# Altium PCB PCB_3U_SMA.PCBDOC (part 1 of 2) (continued)
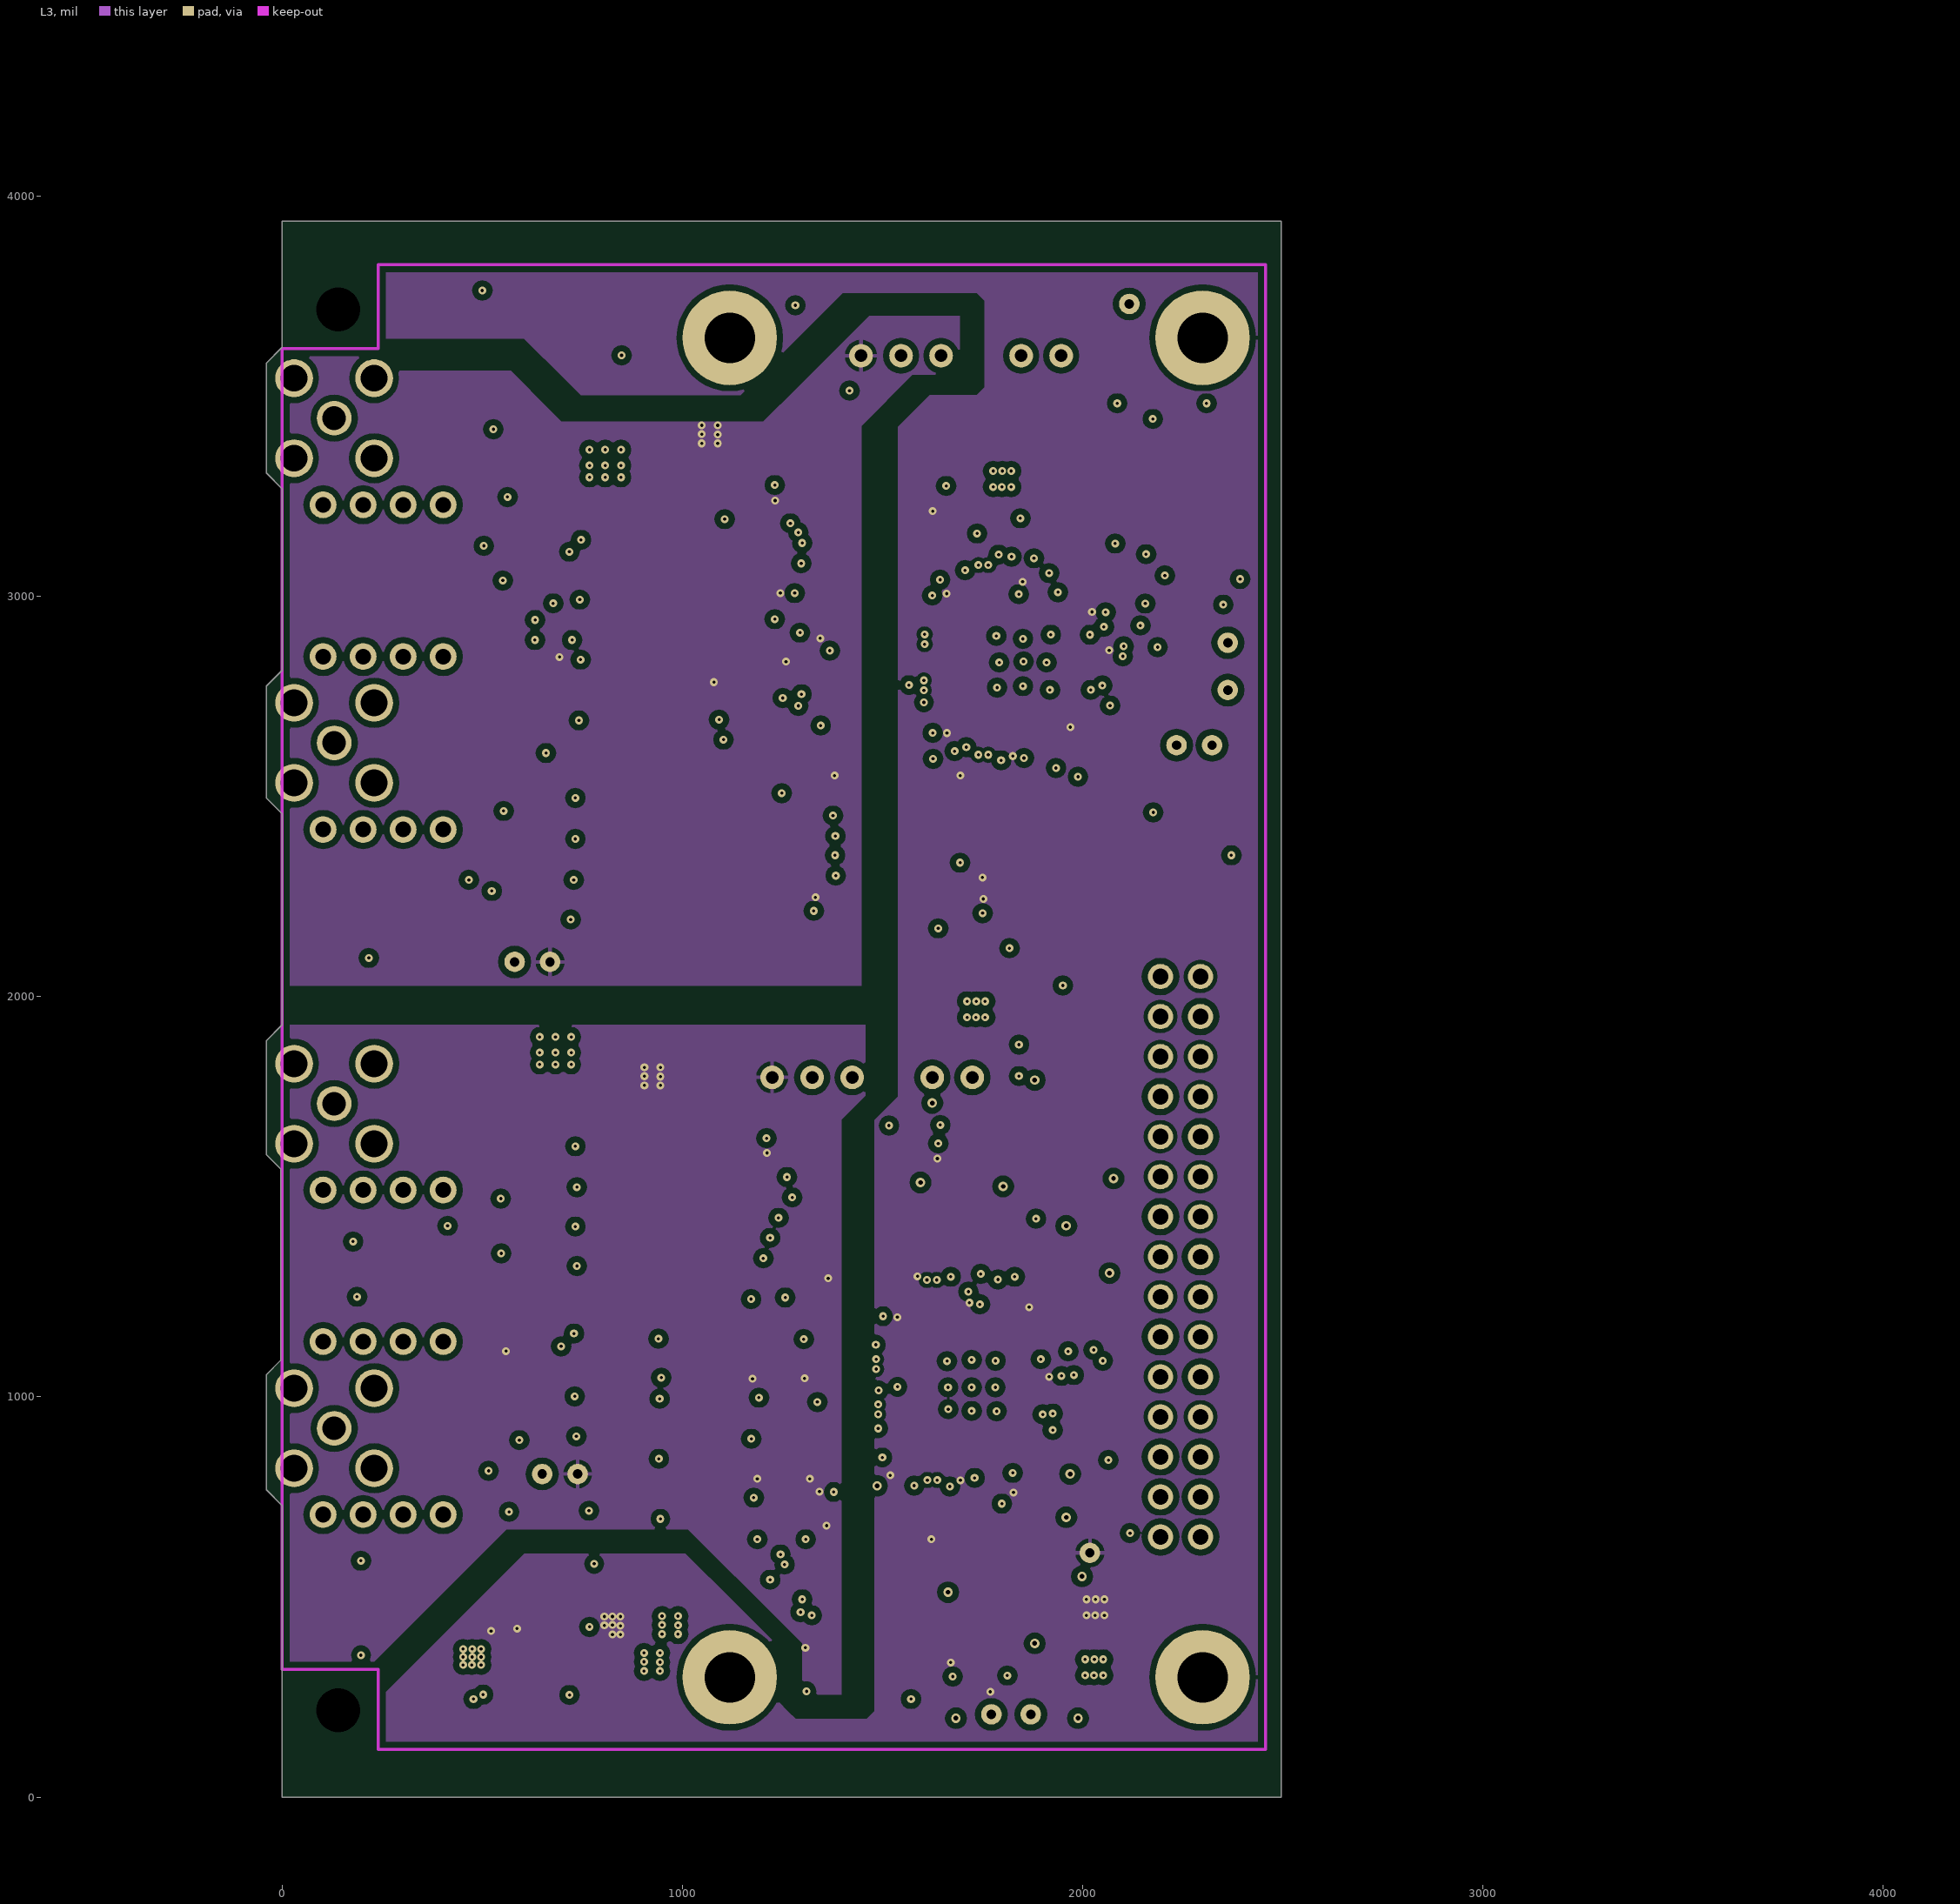
[diagram p3: L3]
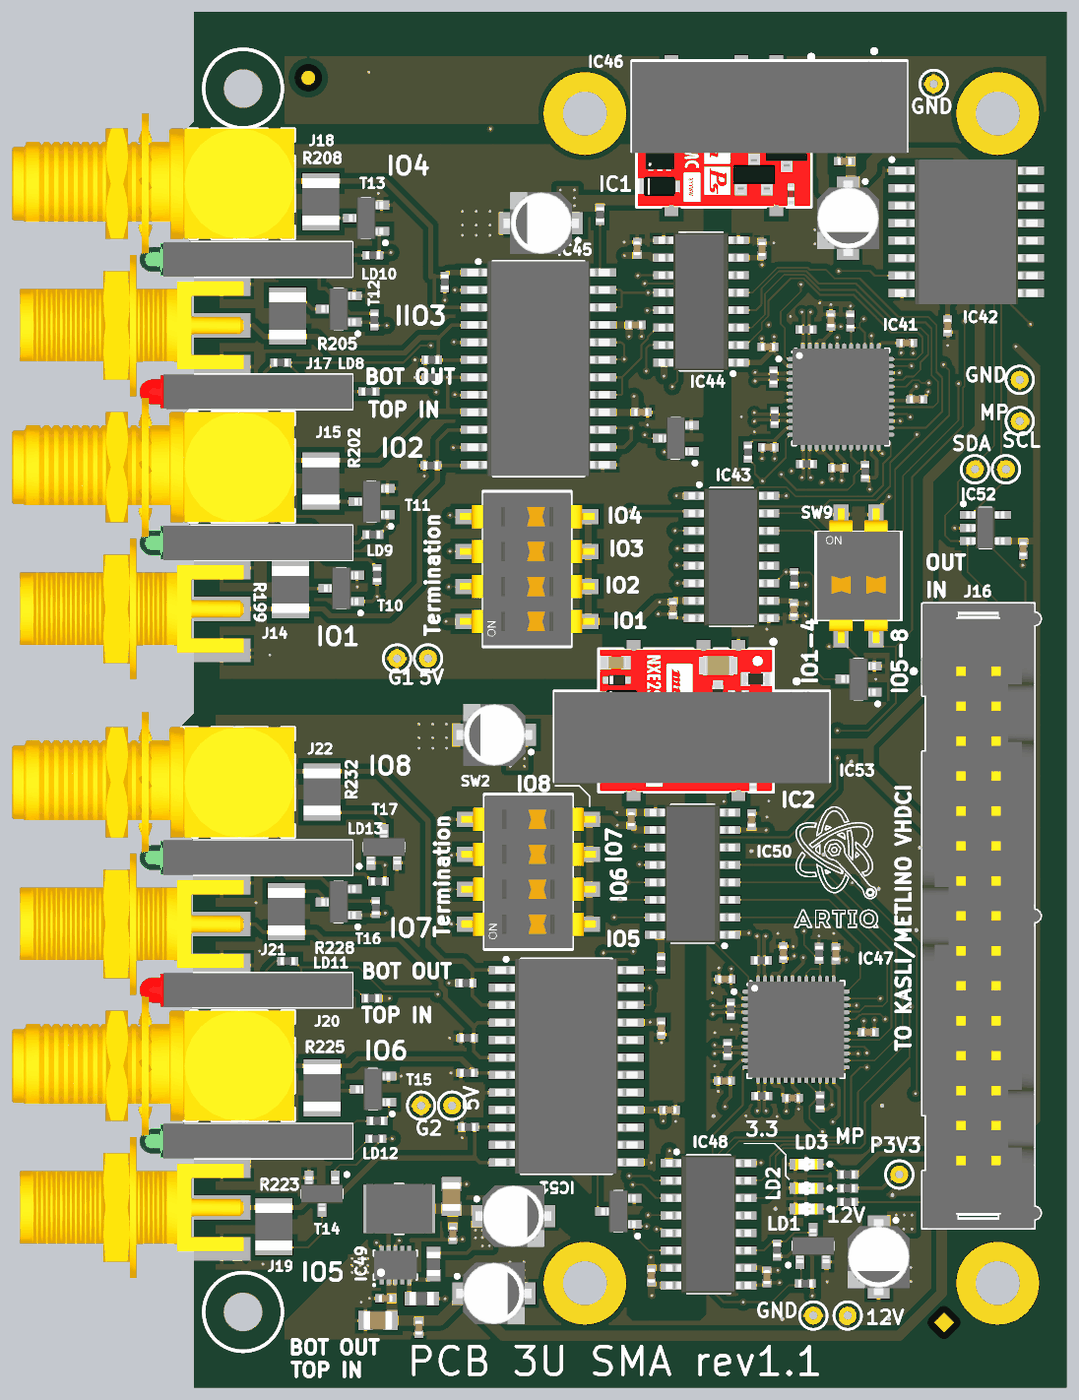
[diagram p5: 3D render of the assembled board from above, using the file's embedded part models]

## Layer stack, top to bottom
TopSolder: solder mask 0.4, Solder Resist, Dk 3.5
Top: signal copper 1.4
Dielectric1: core 15, FR-4, Dk 4.8
MP(G): plane copper 1.4169, net (Multiple Nets)
Dielectric 3: core 27.5591, Dk 4.2
L3: signal copper 1.4169
Dielectric 4: prepreg 14.9606, Dk 4.2
Bot: signal copper 1.4
BottomSolder: solder mask 0.4, Solder Resist, Dk 3.5

## Board outline
-39.37,767.72 -39.37,1055.12 -3.74,1090.75 -3.74,1569.48 -39.37,1605.11 -39.37,1889.76 0,1929.13 0,2456.69 -39.37,2496.06 -39.37,2775.59 0,2814.96 0,3268.7 -39.37,3308.07 -39.37,3582.68 0,3622.05 0,3937 2496.06,3937 2496.06,0 0,0 0,728.35

## Design rules (kind name [scope] priority, off if disabled: settings)
Clearance Clearance_DIFF [(InDifferentialPairClass('All Differential Pairs'))] p1: gap=5 except(10: Arc-Poly Track-Poly SMDPad-Poly THPad-Poly Via-Poly Fill-Poly Poly-Poly Poly-Region Poly-Text)
Clearance [All] p2: gap=5 except(15: Arc-Poly Track-Poly SMDPad-Poly THPad-Poly Via-Poly Fill-Poly Poly-Poly)
DiffPairsRouting [All] p1: maxlimit=10 minlimit=5 mostfreqgap=5 toplayer_minwidth=5 toplayer_maxwidth=15 toplayer_prefwidth=10 midlayer1_minwidth=5 midlayer1_maxwidth=15 midlayer1_prefwidth=10 bottomlayer_minwidth=5 bottomlayer_maxwidth=15 bottomlayer_prefwidth=10 maxuncoupledlength=500
FabricationTestPointUsage TestPointUsage [All] p1: valid=0 allowmultiple=FALSE
FabricationTestpoint Testpoint [All] p1: side=3 testpointundercomponent=TRUE minsize=40 maxsize=100 preferedsize=60 minholesize=20 maxholesize=40 preferedholesize=32 testpointgrid=1 allowsidetop=TRUE allowsidebottom=TRUE usegrid=TRUE gridtolerance=0.01
HoleSize [All] p1: absolutevalues=TRUE maxlimit=150 minlimit=1 maxpercent=80.000 minpercent=20.000
HoleToHoleClearance [All] p1: gap=1 allowstackedmicrovias=TRUE
MinimumSolderMaskSliver [All] p1: minsoldermaskwidth=0
PlaneClearance [All] p1: clearance=10
PlaneConnect [All] p1: planeconnectstyle=Direct reliefexpansion=20 reliefentries=4 reliefconductorwidth=10 reliefairgap=10
PolygonConnect PolygonConnect_pad [(InPadClass('All Pads'))] p1: connectstyle=Relief reliefconductorwidth=10 reliefentries=4 polygonreliefangle="90 Angle" airgapwidth=10
PolygonConnect [All] p2: connectstyle=Direct reliefconductorwidth=10 reliefentries=4 polygonreliefangle="45 Angle" airgapwidth=10
RoomDefinition PCB_3U_SMA [InComponentClass('PCB_3U_SMA')] p1 off: confinementstyle=ConfineIn formatcopy=TRUE lockcomponents=FALSE outline 2545.26,72.82 9740.13,72.82 9740.13,1007.86 2545.26,1007.86
RoutingVias [All] p1: holewidth=7.87 width=19.68 viastyle="Through Hole" minholewidth=7.87 minwidth=19.68 maxholewidth=28 maxwidth=50
SilkToSilkClearance [All] p1: silktosilkclearance=0
SilkToSolderMaskClearance SilkscreenOverComponentPads [IsPad] p1: minsilkscreentomaskgap=0 clearancetoexposedcopper=TRUE
SolderMaskExpansion [All] p1: expansion=2
Width [All] p1: maxlimit=50 minlimit=5 preferedwidth=5
20 further rules are at their usual default settings.

## Classes and differential pairs
differential pair LVDS1: +LVDS1_P -LVDS1_N
differential pair LVDS2: +LVDS2_P -LVDS2_N
differential pair LVDS3: +LVDS3_P -LVDS3_N
differential pair LVDS4: +LVDS4_P -LVDS4_N
differential pair LVDS5: +LVDS5_P -LVDS5_N
differential pair LVDS6: +LVDS6_P -LVDS6_N
differential pair LVDS7: +LVDS7_P -LVDS7_N
differential pair LVDS8: +LVDS8_P -LVDS8_N

## Components (designator, comment, footprint, x,y, rotation, side; value= is the part's Value field where it differs from the comment)
B1 "Plated Hole" c130h60 2116.14,3730.32 r0 top
B2 "Plated Hole" c130h60 2234.25,2627.95 r0 top
B3 "Plated Hole" c130h60 2322.83,2627.95 r0 top
B4 "Plated Hole" c130h60 2362.2,2883.86 r0 top
B5 "Plated Hole" c130h60 2362.2,2765.75 r0 top
B6 "Plated Hole" c130h60 1771.65,206.69 r0 top
B7 "Plated Hole" c130h60 2017.72,610.24 r0 top
B8 "Plated Hole" c130h60 1870.08,206.69 r0 top
B9 "Plated Hole" c130h60 669.29,2086.61 r0 top
B10 "Plated Hole" c130h60 580.71,2086.61 r0 top
B11 "Plated Hole" c130h60 738.19,807.09 r0 top
B12 "Plated Hole" c130h60 649.61,807.09 r0 top
C163 "100nF" CAPC1005X55N 2372,2400 r90 top
C164 "100nF" CAPC1005X55N 1370,2230 r90 top
C165 "100nF" CAPC1005X55N 1262.53,3040.84 r180 top
C166 "100nF" CAPC1005X55N 1279.53,2790.84 r180 top
C167 "100nF" CAPC1005X55N 1267.57,3260.15 r270 top
C168 "10uF" CAPAE430X540N 993,3332 r180 top
C169 "100nF" CAPC1005X55N 643,172 r90 top
C170 "10uF" CAPAE430X540N 1871,3346 r270 top
C171 "100nF" CAPC1005X55N 1625,3257.88 r270 top
C172 "100nF" CAPC1005X55N 1843,2632 r180 top
C173 "100nF" CAPC1005X55N 1822,3054 r270 top
C174 "100nF" CAPC1005X55N 2068,2828 r180 top
C175 "100nF" CAPC1005X55N 1642,2978 r0 top
C176 "100nF" CAPC1005X55N 1643,2691 r0 top
C177 "100nF" CAPC1005X55N 1716,2226 r90 top
C178 "100nF" CAPC1005X55N 1595,1625 r270 top
C179 "10uF" CAPAE430X540N 1958.66,374.02 r270 top
C180 "100nF" CAPC1005X55N 2039,2990 r180 top
C181 "100nF" CAPC1005X55N 1836,1242 r270 top
C182 "100nF" CAPC1005X55N 740.16,440.94 r90 top
C183 "100nF" CAPC1005X55N 1639,317 r90 top
C184 "100nF" CAPC1005X55N 1929,1017 r180 top
C185 "100nF" CAPC1005X55N 1712,829 r180 top
C186 "100nF" CAPC1005X55N 1517,878 r0 top
C187 "100nF" CAPC1005X55N 1519,1169 r0 top
C188 "10uF" CAPAE430X540N 914,491 r0 top
C189 "100nF" CAPC1005X55N 1686,1245 r270 top
C190 "22uF" CAPC2012X135N 736.22,547.24 r270 top
C191 "100nF" CAPC1005X55N 548,256 r0 top
C192 "22uF" CAPC2012X135N 526,193 r0 top
C193 "100nF" CAPC1005X55N 1861,3509 r0 top
C194 "10uF" CAPAE430X540N 858,270 r0 top
C195 "100nF" CAPC1005X55N 1308,321 r90 top
C196 "100nF" CAPC1005X55N 1360,795 r180 top
C197 "100nF" CAPC1005X55N 1337,1029 r90 top
C198 "100nF" CAPC1005X55N 1251,1627 r270 top
C199 "10uF" CAPAE430X540N 859,1868 r180 top
C200 "100nF" CAPC1005X55N 2156,3038 r90 top
FTG9 "Use only in PCB" FIDUCIAL_TOP_C100-200 326.77,3748.03 r90 top
FTG10 "Use only in PCB" FIDUCIAL_TOP_S100-200 2145.67,187.01 r90 top
FTG11 "Use only in PCB" FIDUCIAL_TOP_S200-400 423.23,1968.5 r180 bottom
FTG12 "Use only in PCB" FIDUCIAL_TOP_S100-200 2219.54,2716.54 r90 bottom
IC1 "NXE2S1205MC" DCDC_MURATA_NXE2 1515.75,3582.68 r180 top
IC2 "NXE2S1205MC" DCDC_MURATA_NXE2 1407.48,1909.45 r180 top
IC41 "SN65MLVD040RGZT" QFN50P700X700X100-49N-S420 1850,2835 r0 top
IC42 "PCF8574ADW" SOIC127P1030X265-16N 2209,3307 r0 top
IC43 "SI8651BB-B-IS1" SOIC127P600X175-16N 1537,2377 r0 top
IC44 "SI8651BB-B-IS1" SOIC127P600X175-16N 1450.57,3108.15 r180 top
IC45 "SN74BCT25245DW" SOIC127P1030X265-24N 985.52,2915.84 r0 top
IC46 "DNP" DCDC_TRACO_TMA 1646,3601 r180 top
IC47 "SN65MLVD040RGZT" QFN50P700X700X100-49N-S420 1722,1025 r0 top
IC48 "SI8651BB-B-IS1" SOIC127P600X175-16N 1472,468 r0 top
IC49 "TPS62175DQC" SON50P200X300X80-11N-R94X250 576,351 r90 top
IC50 "SI8651BB-B-IS1" SOIC127P600X175-16N 1426,1471 r180 top
IC51 "SN74BCT25245DW" SOIC127P1030X265-24N 1065,920 r0 top
IC52 "24AA02E48T-I/OT" SOT95P280X145-5N 2264,2460 r0 top
IC53 "DNP" DCDC_TRACO_TMA 1424,1798 r180 top
J14 "SMA" MOLEX_73251-2120 78.74,2228.35 r0 top locked
J15 "SMA" SMA209F 129.92,2633.86 r180 top locked
J16 "Familly" 3M_N2530-6002RB 2244,1350 r270 top locked
J17 "SMA" MOLEX_73251-2120 78.74,3039.37 r0 top locked
J18 "SMA" SMA209F 129.92,3444.88 r180 top locked
J19 "SMA" MOLEX_73251-2120 78.74,515.75 r0 top locked
J20 "SMA" SMA209F 129.92,921.26 r180 top locked
J21 "SMA" MOLEX_73251-2120 78.74,1326.77 r0 top locked
J22 "SMA" SMA209F 129.92,1732.28 r180 top locked
L17 "10uH" IND_MURATA-PS_8400 586.61,511.81 r0 top
LD1 "Green" LED_KINGBRIGHT_KPH-1608CGCK 1751.97,511.81 r180 top
LD2 "Green" LED_KINGBRIGHT_KPH-1608CGCK 1751.97,570.87 r180 top
LD3 "Green" LED_KINGBRIGHT_KPH-1608CGCK 1751.97,639.76 r180 top
LD8 "Red/Green" LED_DIALIGHT_571-0112F 102.36,2849.41 r0 top locked
LD9 "Green/Green" LED_DIALIGHT_571-0122F 102.36,2417.32 r0 top locked
LD10 "Green/Green" LED_DIALIGHT_571-0122F 102.36,3228.35 r0 top locked
LD11 "Red/Green" LED_DIALIGHT_571-0112F 102.36,1137.8 r0 top locked
LD12 "Green/Green" LED_DIALIGHT_571-0122F 102.36,705.71 r0 top locked
LD13 "Green/Green" LED_DIALIGHT_571-0122F 102.36,1516.73 r0 top locked
R1 "10k" RESC1005X40N 1870.08,531.5 r0 top
R2 "510" RESC1005X40N 1870.08,570.87 r180 top
R3 "510" RESC1005X40N 1870.08,610.24 r180 top
R194 "510" RESC1005X40N 248.03,2933.07 r180 top
R195 "510" RESC1005X40N 500,2850.39 r180 top
R196 "10k" RESC1005X40N 1717,2316 r270 top
R197 "10k" RESC1005X40N 1584.65,2677.17 r90 top
R198 "100" RESC1005X40N 1878,3052 r90 top
R199 "49R9" RESC3225X70N 275.59,2283.46 r270 top
R200 "10k" RESC1005X40N 677.52,2638.84 r0 top
R201 "100" RESC1005X40N 1751,3028 r180 top
R202 "49R9" RESC3225X70N 362.2,2594.49 r90 top
R203 "10k" RESC1005X40N 679.52,2890.84 r0 top
R204 "100" RESC1005X40N 1658,2892 r270 top
R205 "49R9" RESC3225X70N 267.72,3066.93 r270 top
R206 "10k" RESC1005X40N 680.02,2940.84 r0 top
R207 "100" RESC1005X40N 1661,2776 r270 top
R208 "49R9" RESC3225X70N 362.2,3393.7 r90 top
R209 "10k" RESC1005X40N 717.52,3163.35 r90 top
R210 "10k" RESC1005X40N 1161.42,3356.3 r90 top
R211 "100" RESC1005X40N 1752,2643 r0 top
R212 "10k" RESC1005X40N 1920,2622 r270 top
R213 "510" RESC1005X40N 523.62,2326.77 r90 top
R214 "510" RESC1005X40N 511.81,2440.94 r180 top
R215 "510" RESC1005X40N 515.75,3055.12 r90 top
R216 "510" RESC1005X40N 511.81,3240.16 r180 top
R217 "510" RESC1005X40N 267.72,1220.47 r180 top
R218 "10k" RESC1005X40N 1668,394 r270 top
R219 "10k" RESC1005X40N 1749,298 r0 top
R220 "510" RESC1005X40N 507.87,1114.17 r180 top
R221 "100" RESC1005X40N 1791,818 r270 top
R222 "10k" RESC1005X40N 785,746 r0 top
R223 "49R9" RESC3225X70N 228.35,460.63 r90 top
R224 "100" RESC1005X40N 1623,1223 r180 top
R225 "49R9" RESC3225X70N 366.14,858.27 r90 top
R226 "10k" RESC1005X40N 782,901 r0 top
R227 "100" RESC1005X40N 1535,1083 r270 top
R228 "49R9" RESC3225X70N 263.78,1362.2 r270 top
R229 "10k" RESC1005X40N 782,1001 r0 top
R230 "100" RESC1005X40N 1526,968 r270 top
R231 "270k" RESC1608X55N 685,354 r90 top
R232 "49R9" RESC3225X70N 366.14,1704.72 r90 top
R233 "10k" RESC1005X40N 778,1158 r0 top
R234 "100" RESC1005X40N 1624,835 r0 top
R235 "10k" RESC1005X40N 1788,1243 r90 top
R236 "10k" RESC1005X40N 1336,1214 r90 top
R237 "82k" RESC1608X55N 651,255 r180 top
R238 "510" RESC1005X40N 519.69,712.6 r180 top
R239 "510" RESC1005X40N 523.62,763.78 r180 top
R240 "510" RESC1005X40N 519.69,1374.02 r90 top
R241 "510" RESC1005X40N 527.56,1448.82 r180 top
SW2 "Switch" SW_OMRON_A6S-4102-H 956.69,1476.38 r180 top
SW3 "Switch" SW_OMRON_A6S-4102-H 952.76,2342.52 r180 top
SW9 "Switch" SW_OMRON_A6S-2102-H 1901,2322.83 r90 top
T10 "BSS138LT1G" SOT95P240X110-3N 421.26,2287.4 r180 top
T11 "BSS138LT1G" SOT95P240X110-3N 507.87,2535.43 r180 top
T12 "BSS138LT1G" SOT95P240X110-3N 413.39,3086.61 r180 top
T13 "BSS138LT1G" SOT95P240X110-3N 492.13,3346.46 r180 top
T14 "BSS138LT1G" SOT95P240X110-3N 366.14,555.12 r270 top
T15 "BSS138LT1G" SOT95P240X110-3N 511.81,854.33 r180 top
T16 "BSS138LT1G" SOT95P240X110-3N 413.39,1389.76 r180 top
T17 "BSS138LT1G" SOT95P240X110-3N 543.31,1547.24 r90 top
T26 "BSS138LT1G" SOT95P240X110-3N 1901,2027.56 r180 top
T27 "BSS138LT1G" SOT95P240X110-3N 1377.95,2716.54 r180 top
T28 "BSS138LT1G" SOT95P240X110-3N 1771,406 r90 top
T29 "BSS138LT1G" SOT95P240X110-3N 1214,505 r180 top

## Footprints (in the part's own frame and the unit in brackets; to place one, negate y for a bottom-side part, rotate by r counter-clockwise, add the part's x,y. Pads: shape width x height; smd on the part's side, far side on the other; paste and mask are expansions set on the pad)
3M_N2530-6002RB [mm] "30 Contacts - Straight .100\" x .100\" Low Profile Four-Wall Header"
  round 1.6 hole 1: 1(-17.78,-1.27) 2(-17.78,1.27) 3(-15.24,-1.27) 4(-15.24,1.27) 5(-12.7,-1.27) 6(-12.7,1.27) 7(-10.16,-1.27) 8(-10.16,1.27) 9(-7.62,-1.27) 10(-7.62,1.27) 11(-5.08,-1.27) 12(-5.08,1.27) 13(-2.54,-1.27) 14(-2.54,1.27) 15(0,-1.27) 16(0,1.27) 17(2.54,-1.27) 18(2.54,1.27) 19(5.08,-1.27) 20(5.08,1.27) 21(7.62,-1.27) 22(7.62,1.27) 23(10.16,-1.27) 24(10.16,1.27) 25(12.7,-1.27) 26(12.7,1.27) 27(15.24,-1.27) 28(15.24,1.27) 29(17.78,-1.27) 30(17.78,1.27)
  silkscreen extent -22.71,-4.85 22.71,4.52, body extent -22.71,-4.11 22.71,4.52, height 9.91
c130h60 [mm] "Plated Through Hole: Hole Dia.=0.6mm Pad Dia.=1.30mm"
  round 1.3 hole 0.6: 1(0,0)
  silkscreen extent -1,-1 1,1
CAPAE430X540N [mm] "Capacitor, Aluminium Electrolytric, 4.3mm L X 4.3mm W X 5.4mm H, IPC Medium Density"
  rect 2.55x1.6 smd: 1(-1.75,0) 2(1.75,0)
  silkscreen extent -2.8,-2.15 2.15,2.15, body extent -2.75,-2.25 2.75,2.25, height 5.7
CAPC1005X55N [mm] "Chip Capacitor, Body 1.0x0.55mm, IPC Medium Density"
  rect 0.62x0.62 smd: 1(-0.45,0) 2(0.45,0)
  body extent -0.52,-0.27 0.53,0.28, height 0.55
CAPC2012X135N [mm] "Chip Capacitor, Body 2.0x1.25mm, IPC Medium Density"
  rect 1.05x1.4 smd: 1(-0.9,0) 2(0.9,0)
  silkscreen extent 0,-0.58 0,0.58, body extent -1.05,-0.67 1.05,0.68, height 1.25
DCDC_MURATA_NXE2 [mm] "NXE2 Series, Body 12.7 x 10.4, Height 4.4mm"
  rect 1x2.3 smd: 1(-3.81,-4.7) 3(-1.27,-4.7) 7(3.81,-4.7) 8(3.81,4.7) 14(-3.81,4.7)
  silkscreen extent -6.5,-5.86 6.35,5.21, body extent -6.35,-5.21 6.35,5.21, height 4.41
DCDC_TRACO_TMA [mm] "TMA Series , Body 19.5x6.1mm, SIP-6, Unregulated"
  round 1.5 hole 0.8: 1(-7.62,0) 2(-5.08,0) 4(0,0) 5(2.54,0) 6(5.08,0)
  silkscreen extent -10,-5.82 10,1.63, body extent -10,-4.97 10,1.73, height 10.45
FIDUCIAL_TOP_C100-200 [mm] "Round Fiducial Target, Top Layer, 1.0mm, Top Solder 2.0mm, Keepout =2.0mm"
  round 1 smd paste-0.51 mask+0.5: FTG2(0,0)
  Top keep-out circle w0.1: c0,0 r1
FIDUCIAL_TOP_S100-200 [mm] "Square Fiducial Target, Top Layer, 1.0mm, Top Solder 2.0mm, Keepout =2.0mm"
  rect 1x1 smd rot 45 paste-0.51 mask+0.5: 1(0,0)
  Top keep-out region: 1.414,0 0,-1.414 -1.414,0 0,1.414
FIDUCIAL_TOP_S200-400 [mm] "Square Fiducial Target, Top Layer, 2.0mm, Top Solder 4.0mm, Keepout =4.0mm"
  rect 2x2 smd rot 45 paste-0.9 mask+1: 1(0,0)
  Top keep-out region: -2.839,0.011 -0.011,2.839 2.818,0.011 -0.011,-2.818
IND_MURATA-PS_8400 [mm] "Miniature Surface Mount Power Inductors, 4.5mm L X 3.3mm W X 2.9mm H, MURATA 8400 Serie"
  rect 2x3.5 smd: 1(-1.6,0) 2(1.6,0)
  silkscreen extent -0.3,-1.8 0.3,1.8, body extent -2.4,-1.8 2.4,1.8, height 2.9
LED_DIALIGHT_571-0112F [mm] "2x 2mm LED (Top: Red, Bot: Green) PCB Edge Mounting (Without positioning pins) DIALIGHT 571 Serie"
  round 1.7 hole 1: 1(0,0) 2(2.54,0) 3(5.08,0) 4(7.62,0)
  silkscreen extent -6.55,-1.24 8.89,1.24, body extent -6.55,-1.24 8.89,1.24, height 8.61
LED_DIALIGHT_571-0122F [mm] "2x 2mm LED (Top: Green, Bot: Green) PCB Edge Mounting (Without positioning pins) DIALIGHT 571 Serie"
  round 1.7 hole 1: 1(0,0) 2(2.54,0) 3(5.08,0) 4(7.62,0)
  silkscreen extent -6.55,-1.24 8.89,1.24, body extent -6.55,-1.24 8.89,1.24, height 8.61
LED_KINGBRIGHT_KPH-1608CGCK [mm] "SMT Green LED, Case 0603, Body L 1.6 x W 0.8mm H 0.65mm"
  rect 0.8x0.8 smd: 1(0.825,0) 2(-0.825,0)
  silkscreen extent -1.83,-0.4 0.08,0.4, body extent -0.8,-0.4 0.8,0.4, height 0.65
MOLEX_73251-2120 [mm] "50 Ohm, SMA Edge Mount PCB, With Jam Nut And Lock Washer"
  rect 4.19x1.78 smd: 1(0,0)
  rect 4.19x1.7 smd: 2(0,-3) 2(0,3)
  rect 4.19x1.7 smd far side: 2(0,-3) 2(0,3)
  silkscreen extent -14.64,-5.13 -2.44,5.13, body extent -14.64,-5.13 1.62,5.13, height 5.76
QFN50P700X700X100-49N-S420 [mm] "QFN, 0.50mm Pitch, Square; 48 Pin, 7.00mm L X 7.00mm W X 1mm H body (W/Thermal Tab 4.2mm X 4.2mm), IPC Medium Density"
  oval 0.9x0.3 smd: 1(-3.45,2.75) 2(-3.45,2.25) 3(-3.45,1.75) 4(-3.45,1.25) 5(-3.45,0.75) 6(-3.45,0.25) 7(-3.45,-0.25) 8(-3.45,-0.75) 9(-3.45,-1.25) 10(-3.45,-1.75) 11(-3.45,-2.25) 12(-3.45,-2.75) 25(3.45,-2.75) 26(3.45,-2.25) 27(3.45,-1.75) 28(3.45,-1.25) 29(3.45,-0.75) 30(3.45,-0.25) 31(3.45,0.25) 32(3.45,0.75) 33(3.45,1.25) 34(3.45,1.75) 35(3.45,2.25) 36(3.45,2.75)
  oval 0.3x0.9 smd: 13(-2.75,-3.45) 14(-2.25,-3.45) 15(-1.75,-3.45) 16(-1.25,-3.45) 17(-0.75,-3.45) 18(-0.25,-3.45) 19(0.25,-3.45) 20(0.75,-3.45) 21(1.25,-3.45) 22(1.75,-3.45) 23(2.25,-3.45) 24(2.75,-3.45) 37(2.75,3.45) 38(2.25,3.45) 39(1.75,3.45) 40(1.25,3.45) 41(0.75,3.45) 42(0.25,3.45) 43(-0.25,3.45) 44(-0.75,3.45) 45(-1.25,3.45) 46(-1.75,3.45) 47(-2.25,3.45) 48(-2.75,3.45)
  rect 4.2x4.2 smd: 49(0,0)
  silkscreen extent -4.62,-3.5 3.5,3.5, body extent -3.5,-3.5 3.5,3.5, height 1
RESC1005X40N [mm] "Chip Resistor, EIA 0402, Metric 1005, Body 1.0x0.5mm, IPC Medium Density"
  rect 0.58x0.62 smd: 1(-0.47,0) 2(0.47,0)
  body extent -0.52,-0.27 0.53,0.28, height 0.4
RESC1608X55N [mm] "Chip Resistor, EIA 0603, Metric 1608, Body 1.6x0.8mm, IPC Medium Density"
  rect 0.9x1 smd: 1(-0.8,0) 2(0.8,0)
  body extent -0.87,-0.47 0.88,0.48, height 0.55
RESC3225X70N [mm] "Chip Resistor, EIA 1210, Metric 3225, Body 3.2x2.5mm, IPC Medium Density"
  rect 1.15x2.7 smd: 1(-1.5,0) 2(1.5,0)
  silkscreen extent -0.55,-1.25 0.55,1.25, body extent -1.7,-1.35 1.7,1.35, height 0.7
SMA209F [mm] "50 Ohm Through Hole SMA Right Angle PCB Jack"
  round 2.2 hole 1.5: 1(0,0)
  round 2.4 hole 1.7: 2(-2.54,2.54) 2(-2.54,-2.54) 2(2.54,2.54) 2(2.54,-2.54)
  silkscreen extent -4,-5.1 15.9,5.1, body extent -4,-5.1 16.5,5.1, height 11.45
SOIC127P600X175-16N [mm] "SOIC 16, Pitch 1.27mm - Body 4x10mm, IPC Medium Density"
  rect 1.55x0.6 smd: 1(-2.7,4.445) 2(-2.7,3.175) 3(-2.7,1.905) 4(-2.7,0.635) 5(-2.7,-0.635) 6(-2.7,-1.905) 7(-2.7,-3.175) 8(-2.7,-4.445) 9(2.7,-4.445) 10(2.7,-3.175) 11(2.7,-1.905) 12(2.7,-0.635) 13(2.7,0.635) 14(2.7,1.905) 15(2.7,3.175) 16(2.7,4.445)
  silkscreen extent -2.45,-5 1.55,5.37, body extent -3.1,-5 3.1,5, height 1.75
SOIC127P1030X265-16N [mm] "SOIC 16, Pitch 1.27mm - Body 7.5x10.3mm, IPC Medium Density"